# KiCad board Ultrasonic Sound Steering - Driver Rev. C.kicad_pcb (continued)
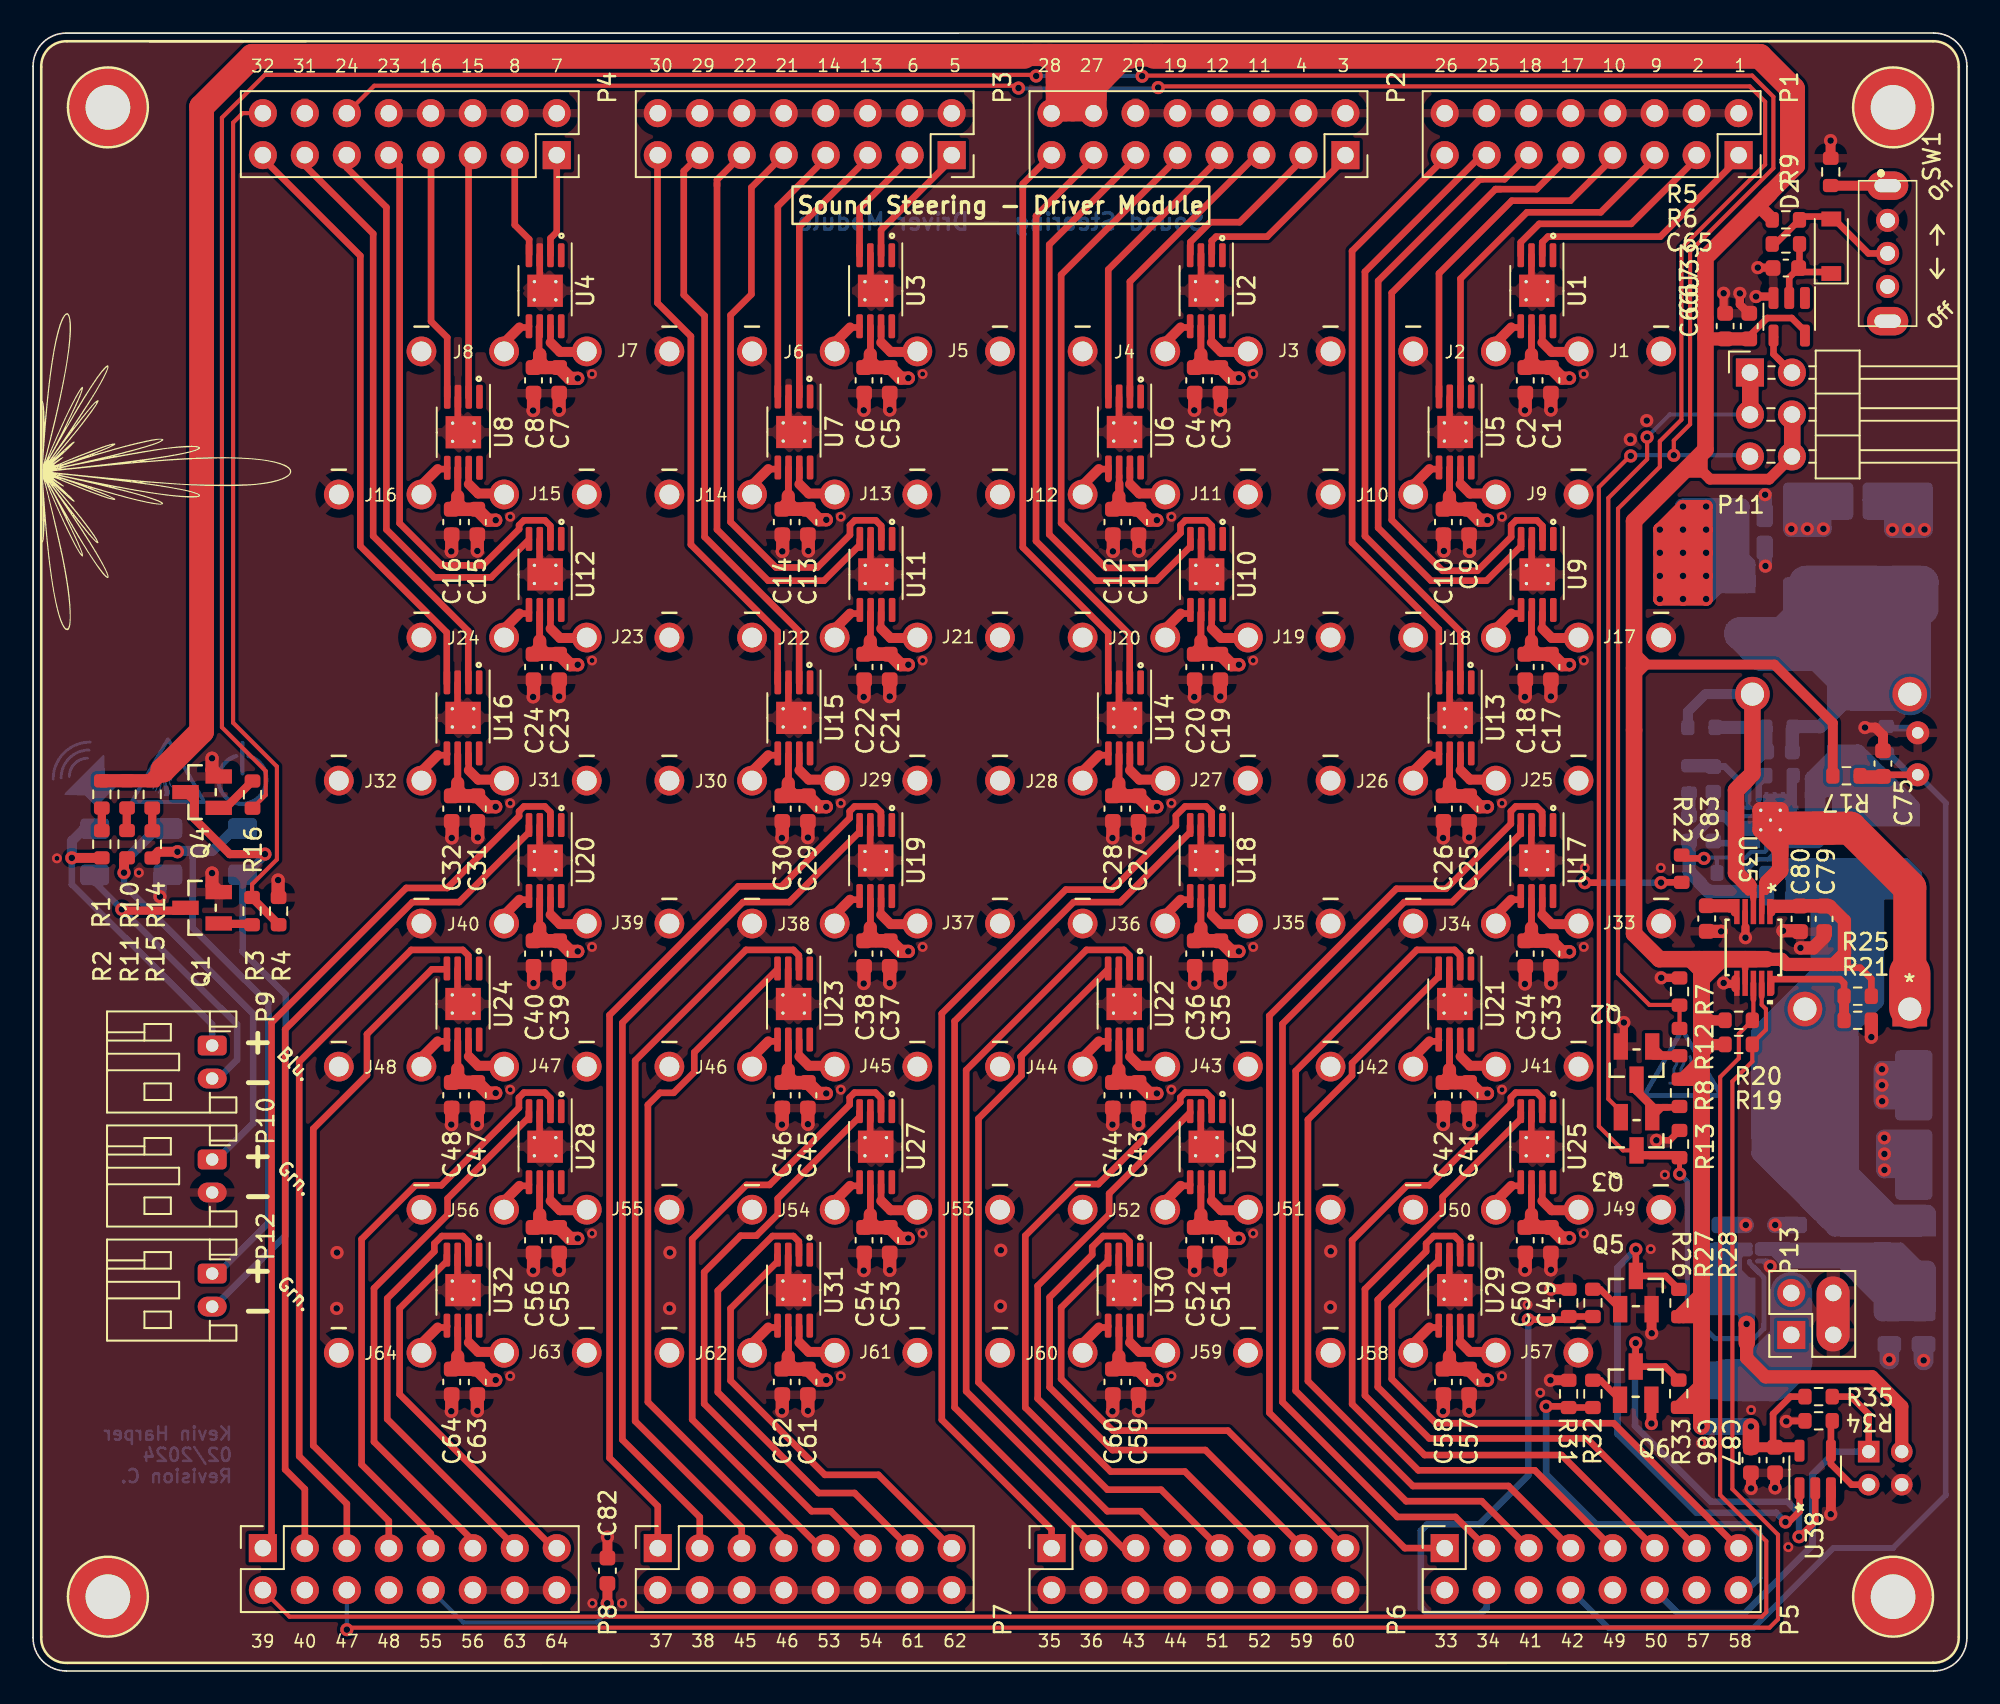
[diagram p0: board, top side]
## Footprints (pads in the part's own frame, mm; a bottom-side part is the same pattern mirrored in y, then rotated)
C_0603
  rrect 0.9x0.95 smd: 1(-0.775,0.02) 2(0.775,0.02)
C_0603_1608Metric
  rrect 0.9x0.95 smd: 1(-0.775,0) 2(0.775,0)
C_0805
  rrect 1x1.45 smd: 1(-0.95,0) 2(0.95,0)
C_0805_2012Metric
  rrect 1x1.45 smd: 1(-0.95,0) 2(0.95,0)
CAP_TANT_POLY_7343
  rrect 2.25x4.25 smd: 1(0,0) 2(5.725,0)
CONN_SWR204_D-02
  rect 1.308x1.308 hole 0.8: 1(-1.8,-1.69)
  round 1.308 hole 0.8: 2(0.2,-1.69) 3(-1.8,-3.69) 4(0.2,-3.69)
CONV_PTN04050CAD
  rect 2.1x2.1 hole 1.4: 1(-9.53,4.76)
  round 2.1 hole 1.4: 2(-9.53,-1.58) 3(9.53,-4.76) 4(9.53,4.76)
D_DO-221AC
  rect 2.26x1.57 smd: 1(-2.163,-0.03) 2(2.188,-0.03)
D_SOD-123
  rect 0.9x1.2 smd: 1(-1.65,0) 2(1.65,0)
DMP3099L-7_DIO
  rect 0.864x1.6 smd: 1(-0.95,-1.006) 2(0.95,-1.006) 3(0,1.006)
F_0157_SMD2
  rect 2.286x3.048 smd: 1(-2.44,-0.047) 2(2.64,-0.047)
IC_SOT23-5
  rrect 1.325x0.6 smd: 1(-1.137,0.95) 2(-1.137,0) 3(-1.137,-0.95) 4(1.137,-0.95) 5(1.137,0.95)
IC_WLCSP-6_0.5P
  round 0.25 smd: A1(-0.5,-0.25) A2(-0.5,0.25) B1(0,-0.25) B2(0,0.25) C1(0.5,-0.25) C2(0.5,0.25)
IC_WQFN-16_EP_3x3
  rect 0.6x0.24 smd: 1(-1.4,0.725) 2(-1.4,0.225) 3(-1.4,-0.275) 4(-1.4,-0.775) 9(1.4,-0.775) 10(1.4,-0.275) 11(1.4,0.225) 12(1.4,0.725)
  rect 0.24x0.6 smd: 5(-0.75,-1.425) 6(-0.25,-1.425) 7(0.25,-1.425) 8(0.75,-1.425) 13(0.75,1.375) 14(0.25,1.375) 15(-0.25,1.375) 16(-0.75,1.375)
  rect 1.68x1.68 smd: 17(0.025,-0.025)
  round 0.5 hole 0.203: 18(0.59,0.565) 19(0.59,-0.615) 20(-0.59,-0.615) 21(-0.59,0.565) 22(0,-0.025)
IND_HI1206T161R-10_LRD
  rect 1.118x1.803 smd: 1(-1.499,0) 2(1.499,0)
JST_PH_S2B-PH-K_1x02_P2.00mm_Horizontal
  rrect 1.2x1.75 hole 0.75: 1(0,0)
  oval 1.2x1.75 hole 0.75: 2(2,0)
L_SMD2_WURTH_6.45x6.45x5.8H
  rect 1.397x5.309 smd: 1(-2.101,-0.033) 2(2.064,-0.033)
LED_1206_3216Metric
  rrect 1.25x1.75 smd: 1(-1.4,0) 2(1.4,0)
MFS101D10Z
  round 1.4 hole 0.9: 1(0,0) 2(-2,0) 3(-4,0)
  oval 1.724x2.5 hole 0.8x1.6: 4(-6.1,0) 5(2.1,0)
MountingHole_2.7mm_M2.5_DIN965_Pad
  round 4.7 hole 2.7: 1(0,0)
MSOP-8-1EP_3x3mm_P0.65mm_EP1.95x2.15mm_ThermalVias_mic4127alt
  rrect 0.82x0.9 smd: (-0.49,0.54) (-0.49,-0.54) (0.49,0.54) (0.49,-0.54)
  rrect 1.45x0.4 smd: 1(-2.15,0.975) 2(-2.15,0.325) 3(-2.15,-0.325) 4(-2.15,-0.975) 5(2.15,-0.975) 6(2.15,-0.325) 7(2.15,0.325) 8(2.15,0.975)
  round 0.5 hole 0.2: 9(-0.55,0.65) 9(-0.55,-0.65) 9(0.55,0.65) 9(0.55,-0.65)
  rect 1.6x1.8 smd far side: 9(0,0)
  rect 1.95x2.15 smd: 9(0,0)
NetTie-2_SMD_Pad0.5mm
  round 0.5 smd: 1(-0.5,0) 2(0.5,0)
PinHeader_2x02_P2.54mm_Vertical
  rect 1.7x1.7 hole 1: 1(0,0)
  oval 1.7x1.7 hole 1: 2(2.54,0) 3(0,-2.54) 4(2.54,-2.54)
PinHeader_2x03_P2.54mm_Horizontal
  rect 1.7x1.7 hole 1: 1(0,0)
  oval 1.7x1.7 hole 1: 2(2.54,0) 3(0,-2.54) 4(2.54,-2.54) 5(0,-5.08) 6(2.54,-5.08)
PinHEADER_2x08_P2.54mm_Vertical
  rect 1.7x1.7 hole 1: 1(0,0)
  oval 1.7x1.7 hole 1: 2(-2.54,0) 3(0,-2.54) 4(-2.54,-2.54) 5(0,-5.08) 6(-2.54,-5.08) 7(0,-7.62) 8(-2.54,-7.62) 9(0,-10.16) 10(-2.54,-10.16) 11(0,-12.7) 12(-2.54,-12.7) 13(0,-15.24) 14(-2.54,-15.24) 15(0,-17.78) 16(-2.54,-17.78)
R_0603
  rrect 0.8x0.95 smd: 1(-0.825,-0.02) 2(0.825,-0.02)
R_0603_1608Metric
  rrect 0.8x0.95 smd: 1(-0.825,0) 2(0.825,0)
R_DIN0204
  round 1.4 hole 0.7: 1(-1.25,-0.05)
  oval 1.4x1.4 hole 0.7: 2(1.29,-0.05)
RM_10_ADI
  rect 1.524x0.33 smd: 1(-2.172,1) 2(-2.172,0.5) 3(-2.172,0) 4(-2.172,-0.5) 5(-2.172,-1) 6(2.172,-1) 7(2.172,-0.5) 8(2.172,0) 9(2.172,0.5) 10(2.172,1)
SOT-23-5
  rrect 1.325x0.6 smd: 1(-1.137,0.95) 2(-1.137,0) 3(-1.137,-0.95) 4(1.137,-0.95) 5(1.137,0.95)
T_SOT23
  rect 0.864x1.6 smd: 1(-0.95,-1.006) 2(0.95,-1.006) 3(0,1.006)
XDCR_MA40S4S
  round 1.8 hole 1.2: 1(-2.5,0) 2(2.5,0)

## Nets
+3V3: C66.1 C67.1 C79.2 C80.2 C86.1 C87.1 P11.4 P11.6 R1.2 R5.1 R10.1 R12.2 R14.1 R17.2 R19.1 R20.1 R21.1 R28.1 R33.1 R35.1 U33.5 U35.1 U35.7 U38.5
+5V: C68.2 F1.1 P14.3 U34.A2 U34.B2
GND: C1.2 C2.2 C3.2 C4.2 C5.2 C6.2 C7.2 C8.2 C9.2 C10.2 C11.2 C12.2 C13.2 C14.2 C15.2 C16.2 C17.2 C18.2 C19.2 C20.2 C21.2 C22.2 C23.2 C24.2 C25.2 C26.2 C27.2 C28.2 C29.2 C30.2 C31.2 C32.2 C33.2 C34.2 C35.2 C36.2 C37.2 C38.2 C39.2 C40.2 C41.2 C42.2 C43.2 C44.2 C45.2 C46.2 C47.2 C48.2 C49.2 C50.2 C51.2 C52.2 C53.2 C54.2 C55.2 C56.2 C57.2 C58.2 C59.2 C60.2 C61.2 C62.2 C63.2 C64.2 C65.2 C66.2 C67.2 C68.1 C69.1 C70.1 C71.1 C72.1 C73.1 C74.1 C75.2 C76.1 C77.1 C78.2 C79.1 C80.1 C81.2 C82.2 C83.2 C85.2 C86.2 C87.2 C88.2 C89.1 C90.1 D3.1 H1.1 H2.1 H3.1 H4.1 J1.2 J2.2 J3.2 J4.2 J5.2 J6.2 J7.2 J8.2 J9.2 J10.2 J11.2 J12.2 J13.2 J14.2 J15.2 J16.2 J17.2 J18.2 J19.2 J20.2 J21.2 J22.2 J23.2 J24.2 J25.2 J26.2 J27.2 J28.2 J29.2 J30.2 J31.2 J32.2 J33.2 J34.2 J35.2 J36.2 J37.2 J38.2 J39.2 J40.2 J41.2 J42.2 J43.2 J44.2 J45.2 J46.2 J47.2 J48.2 J49.2 J50.2 J51.2 J52.2 J53.2 J54.2 J55.2 J56.2 J57.2 J58.2 J59.2 J60.2 J61.2 J62.2 J63.2 J64.2 NTC1.2 NTC1_ALT1.2 P1.2 P1.4 P1.6 P1.8 P1.10 P1.12 P1.14 P1.16 P2.2 P2.4 P2.6 P2.8 P2.10 P2.12 P3.2 P3.4 P3.6 P3.8 P3.10 P3.12 P3.14 P3.16 P4.2 P4.4 P4.6 P4.8 P4.10 P4.14 P5.2 P5.6 P5.10 P5.14 P6.2 P6.4 P6.6 P6.8 P6.10 P6.12 P6.14 P6.16 P7.2 P7.4 P7.6 P7.8 P7.10 P7.12 P7.14 P7.16 P8.4 P8.8 P8.12 P8.14 P8.16 P10.2 P13.3 P13.4 P14.4 Q1.2 Q2.2 Q4.2 Q5.2 Q6.2 R4.1 R7.1 R9.1 R13.1 R24.1 R25.1 R26.1 R31.1 R34.2 REF**.2 REF**#2.2 SW1.1 U1.3 U1.9 U2.3 U2.9 U3.3 U3.9 U4.3 U4.9 U5.3 U5.9 U6.3 U6.9 U7.3 U7.9 U8.3 U8.9 U9.3 U9.9 U10.3 U10.9 U11.3 U11.9 U12.3 U12.9 U13.3 U13.9 U14.3 U14.9 U15.3 U15.9 U16.3 U16.9 U17.3 U17.9 U18.3 U18.9 U19.3 U19.9 U20.3 U20.9 U21.3 U21.9 U22.3 U22.9 U23.3 U23.9 U24.3 U24.9 U25.3 U25.9 U26.3 U26.9 U27.3 U27.9 U28.3 U28.9 U29.3 U29.9 U30.3 U30.9 U31.3 U31.9 U32.3 U32.9 U33.3 U34.C1 U35.4 U35.6 U36.5 U36.6 U36.10 U36.11 U36.12 U36.13 U36.14 U36.17 U36.18 U36.19 U36.20 U36.21 U36.22 U38.3
+VSW: C1.1 C2.1 C3.1 C4.1 C5.1 C6.1 C7.1 C8.1 C9.1 C10.1 C11.1 C12.1 C13.1 C14.1 C15.1 C16.1 C17.1 C18.1 C19.1 C20.1 C21.1 C22.1 C23.1 C24.1 C25.1 C26.1 C27.1 C28.1 C29.1 C30.1 C31.1 C32.1 C33.1 C34.1 C35.1 C36.1 C37.1 C38.1 C39.1 C40.1 C41.1 C42.1 C43.1 C44.1 C45.1 C46.1 C47.1 C48.1 C49.1 C50.1 C51.1 C52.1 C53.1 C54.1 C55.1 C56.1 C57.1 C58.1 C59.1 C60.1 C61.1 C62.1 C63.1 C64.1 C82.1 C89.2 C90.2 L3.2 P8.10 U1.6 U2.6 U3.6 U4.6 U5.6 U6.6 U7.6 U8.6 U9.6 U10.6 U11.6 U12.6 U13.6 U14.6 U15.6 U16.6 U17.6 U18.6 U19.6 U20.6 U21.6 U22.6 U23.6 U24.6 U25.6 U26.6 U27.6 U28.6 U29.6 U30.6 U31.6 U32.6
/Transducers & Drive/1: P1.1 U1.2
/Transducers & Drive/2: P1.3 U1.4
/Transducers & Drive/3: P2.1 U2.2
/Transducers & Drive/4: P2.3 U2.4
/Transducers & Drive/5: P3.1 U3.2
/Transducers & Drive/6: P3.3 U3.4
/Transducers & Drive/7: P4.1 U4.2
/Transducers & Drive/8: P4.3 U4.4
/Transducers & Drive/9: P1.5 U5.2
/Transducers & Drive/10: P1.7 U5.4
/Transducers & Drive/11: P2.5 U6.2
/Transducers & Drive/12: P2.7 U6.4
/Transducers & Drive/13: P3.5 U7.2
/Transducers & Drive/14: P3.7 U7.4
/Transducers & Drive/15: P4.5 U8.2
/Transducers & Drive/16: P4.7 U8.4
/Transducers & Drive/17: P1.9 U9.2
/Transducers & Drive/18: P1.11 U9.4
/Transducers & Drive/19: P2.9 U10.2
/Transducers & Drive/20: P2.11 U10.4
/Transducers & Drive/21: P3.9 U11.2
/Transducers & Drive/22: P3.11 U11.4
/Transducers & Drive/23: P4.9 U12.2
/Transducers & Drive/24: P4.11 U12.4
/Transducers & Drive/25: P1.13 U13.2
/Transducers & Drive/26: P1.15 U13.4
/Transducers & Drive/27: P2.13 U14.2
/Transducers & Drive/28: P2.15 U14.4
/Transducers & Drive/29: P3.13 U15.2
/Transducers & Drive/30: P3.15 U15.4
/Transducers & Drive/31: P4.13 U16.2
/Transducers & Drive/32: P4.15 U16.4
/Transducers & Drive/33: P5.1 U17.2
/Transducers & Drive/34: P5.3 U17.4
/Transducers & Drive/35: P6.1 U18.2
/Transducers & Drive/36: P6.3 U18.4
/Transducers & Drive/37: P7.1 U19.2
/Transducers & Drive/38: P7.3 U19.4
/Transducers & Drive/39: P8.1 U20.2
/Transducers & Drive/40: P8.3 U20.4
/Transducers & Drive/41: P5.5 U21.2
/Transducers & Drive/42: P5.7 U21.4
/Transducers & Drive/43: P6.5 U22.2
/Transducers & Drive/44: P6.7 U22.4
/Transducers & Drive/45: P7.5 U23.2
/Transducers & Drive/46: P7.7 U23.4
/Transducers & Drive/47: P8.5 U24.2
/Transducers & Drive/48: P8.7 U24.4
/Transducers & Drive/49: P5.9 U25.2
/Transducers & Drive/50: P5.11 U25.4
/Transducers & Drive/51: P6.9 U26.2
/Transducers & Drive/52: P6.11 U26.4
/Transducers & Drive/53: P7.9 U27.2
/Transducers & Drive/54: P7.11 U27.4
/Transducers & Drive/55: P8.9 U28.2
/Transducers & Drive/56: P8.11 U28.4
/Transducers & Drive/57: P5.13 U29.2
/Transducers & Drive/58: P5.15 U29.4
/Transducers & Drive/59: P6.13 U30.2
/Transducers & Drive/60: P6.15 U30.4
/Transducers & Drive/61: P7.13 U31.2
/Transducers & Drive/62: P7.15 U31.4
/Transducers & Drive/63: P8.13 U32.2
/Transducers & Drive/64: P8.15 U32.4
ARRAY_DRIVE_EN: P11.5 Q3.3 R13.2 R16.1 R22.2 U34.C2
DIGIPOT_GND: REF**.1 REF**#2.1 U35.2 U37.1
DIGIPOT_WIPER: R30.1 U35.3 U37.3
DIGPOT_SCL: P8.6 R19.2 U35.9
DIGPOT_SDA: P8.2 R20.2 U35.8
FAN_EN: P5.4 R26.2 R27.1
FAN_PWM: P5.16 R31.2 R32.1
FAN_TACHO: P5.12 P14.1 R35.2
LOAD_SWITCH_EN: P4.12 R7.2 R8.1
NTC: C75.1 NTC1.1 NTC1_ALT1.1 P5.8 R17.1
TX_ACTIVE: P4.16 R3.1 R4.2
Net-(C65-Pad1): C65.1 D2.1 R6.2 U33.2
Net-(C69-Pad2): C69.2 C70.2 C71.2 L1.1 U34.A1 U34.B1
Net-(C72-Pad2): C72.2 C73.2 C78.1 C81.1 L1.2 L2.1 R23.2 U36.2 U37.2
Net-(C74-Pad2): C74.2 R18.1
Net-(C76-Pad2): C76.2 R18.2 U36.7
Net-(C77-Pad2): C77.2 U36.4
Net-(C83-Pad1): C83.1 U35.5
Net-(C84-Pad1): C84.1 R29.1 R30.2 U36.8
Net-(C84-Pad2): C84.2 C85.1 C88.1 D5.1 L3.1 R29.2 U37.4
Net-(D1-Pad1): D1.1 P9.2 Q1.3
Net-(D1-Pad2): D1.2 P9.1 R2.2
Net-(D2-Pad2): D2.2 R5.2 R6.1 SW1.2
Net-(D3-Pad2): D3.2 P10.1 R11.2
Net-(D4-Pad1): D4.1 P12.2 Q4.3
Net-(D4-Pad2): D4.2 P12.1 R15.2
Net-(D5-Pad2): D5.2 L2.2 U36.1 U36.15 U36.16
Net-(F1-Pad2): F1.2 P13.1 P13.2
Net-(J1-Pad1): J1.1 U1.7
Net-(J2-Pad1): J2.1 U1.5
Net-(J3-Pad1): J3.1 U2.7
Net-(J4-Pad1): J4.1 U2.5
Net-(J5-Pad1): J5.1 U3.7
Net-(J6-Pad1): J6.1 U3.5
Net-(J7-Pad1): J7.1 U4.7
Net-(J8-Pad1): J8.1 U4.5
Net-(J9-Pad1): J9.1 U5.7
Net-(J10-Pad1): J10.1 U5.5
Net-(J11-Pad1): J11.1 U6.7
Net-(J12-Pad1): J12.1 U6.5
Net-(J13-Pad1): J13.1 U7.7
Net-(J14-Pad1): J14.1 U7.5
Net-(J15-Pad1): J15.1 U8.7
Net-(J16-Pad1): J16.1 U8.5
Net-(J17-Pad1): J17.1 U9.7
Net-(J18-Pad1): J18.1 U9.5
Net-(J19-Pad1): J19.1 U10.7
Net-(J20-Pad1): J20.1 U10.5
Net-(J21-Pad1): J21.1 U11.7
Net-(J22-Pad1): J22.1 U11.5
Net-(J23-Pad1): J23.1 U12.7
Net-(J24-Pad1): J24.1 U12.5
Net-(J25-Pad1): J25.1 U13.7
Net-(J26-Pad1): J26.1 U13.5
Net-(J27-Pad1): J27.1 U14.7
Net-(J28-Pad1): J28.1 U14.5
Net-(J29-Pad1): J29.1 U15.7
Net-(J30-Pad1): J30.1 U15.5
Net-(J31-Pad1): J31.1 U16.7
Net-(J32-Pad1): J32.1 U16.5
Net-(J33-Pad1): J33.1 U17.7
Net-(J34-Pad1): J34.1 U17.5
Net-(J35-Pad1): J35.1 U18.7
Net-(J36-Pad1): J36.1 U18.5
Net-(J37-Pad1): J37.1 U19.7
Net-(J38-Pad1): J38.1 U19.5
Net-(J39-Pad1): J39.1 U20.7
Net-(J40-Pad1): J40.1 U20.5
Net-(J41-Pad1): J41.1 U21.7
Net-(J42-Pad1): J42.1 U21.5
Net-(J43-Pad1): J43.1 U22.7
Net-(J44-Pad1): J44.1 U22.5
Net-(J45-Pad1): J45.1 U23.7
Net-(J46-Pad1): J46.1 U23.5
Net-(J47-Pad1): J47.1 U24.7
Net-(J48-Pad1): J48.1 U24.5
Net-(J49-Pad1): J49.1 U25.7
Net-(J50-Pad1): J50.1 U25.5
Net-(J51-Pad1): J51.1 U26.7
Net-(J52-Pad1): J52.1 U26.5
Net-(J53-Pad1): J53.1 U27.7
Net-(J54-Pad1): J54.1 U27.5
Net-(J55-Pad1): J55.1 U28.7
Net-(J56-Pad1): J56.1 U28.5
Net-(J57-Pad1): J57.1 U29.7
Net-(J58-Pad1): J58.1 U29.5
Net-(J59-Pad1): J59.1 U30.7
Net-(J60-Pad1): J60.1 U30.5
Net-(J61-Pad1): J61.1 U31.7
Net-(J62-Pad1): J62.1 U31.5
Net-(J63-Pad1): J63.1 U32.7
Net-(J64-Pad1): J64.1 U32.5
Net-(P2-Pad14): P2.14 P2.16
Net-(P11-Pad1): P11.1 P11.3 Q3.2
Net-(P11-Pad2): P11.2 U33.4
Net-(P14-Pad2): P14.2 R34.1 U38.4
Net-(Q1-Pad1): Q1.1 R3.2
Net-(Q2-Pad1): Q2.1 R8.2
Net-(Q2-Pad3): Q2.3 Q3.1 R12.1
Net-(Q4-Pad1): Q4.1 R16.2
Net-(Q5-Pad1): Q5.1 R27.2
Net-(Q5-Pad3): Q5.3 R28.2 U38.1
Net-(Q6-Pad1): Q6.1 R32.2
Net-(Q6-Pad3): Q6.3 R33.2 U38.2
Net-(R1-Pad1): R1.1 R2.1
Net-(R9-Pad2): R9.2 SW1.4 SW1.5
Net-(R10-Pad2): R10.2 R11.1
Net-(R14-Pad2): R14.2 R15.1
Net-(R21-Pad2): R21.2 R25.2 U35.10
Net-(R22-Pad1): R22.1 R23.1 U36.3
Net-(R24-Pad2): R24.2 U36.9

Pads without a net: SW1 3; U1 1 8; U2 1 8; U3 1 8; U4 1 8; U5 1 8; U6 1 8; U7 1 8; U8 1 8; U9 1 8; U10 1 8; U11 1 8; U12 1 8; U13 1 8; U14 1 8; U15 1 8; U16 1 8; U17 1 8; U18 1 8; U19 1 8; U20 1 8; U21 1 8; U22 1 8; U23 1 8; U24 1 8; U25 1 8; U26 1 8; U27 1 8; U28 1 8; U29 1 8; U30 1 8; U31 1 8; U32 1 8; U33 1

## Via types
v1: diameter 0.8, hole 0.4, Top to Bottom, 194 vias
v2: diameter 0.6, hole 0.3, Top to Bottom, 45 vias

## Routing (per net, layer and track width the routed paths; a pad name or vN(x,y) marks a point on that pad's centre or on a via; arc(x,y) is an arc through that point)
+3V3: length 443.3
  Top w0.2: 103.58,42.89 102.53,42.89 ; 100.94,41.3 100.94,40.21 ; 105.15,45.99 105.42,45.99 ; 105.38,46.59 105.11,46.59
  Top w0.3: 97.81,60.87 97.1,61.58 ; 101.81,39.44 101.1,38.73 ; 97.73,60.87 97.02,61.58 ; 101.76,37.96 101.05,37.25 ; 101.08,38.64 101.79,37.93 ; 97.92,60.86 97.21,61.57 ; 101.76,39.37 101.05,40.08 ; 97.03,60.15 97.74,60.86 ; 105.85,90.46 105.85,94.99 ; 101.75,37.82 101.04,37.11 ; 100.73,42.14 100.02,42.85
  Top w0.325: U35.7 103.58,42.89
  Top w0.35: 99.66,35.81 99.37,35.81
  Top w0.4: 102.38,37.78 101.13,37.78 ; 103.58,42.5 103.58,43.39 ; R21.1 111.21,41.89 110.54,42.57 109.12,42.57 108.92,42.77 ; 102.36,37.93 100.95,37.93 ; 109.79,43.65 109.79,42.72 ; 102.36,39.39 101.12,39.39 100.94,39.21 ; 102.44,38.06 101.19,38.06 ; 100.95,40.13 100.94,40.14 ; C87.1 105.27,13.66 105.27,15.56 106.32,16.61 R35.1 ; 101.3,82 101.18,81.87 ; 103.72,80.63 103.72,80.7 104.92,81.9 106.4,81.9 107.19,81.1 U33.5 107.19,81.18 ; 102.32,39.5 101.07,39.5 ; 109.66,42.79 108.73,42.79 ; 101.23,80.63 101.18,80.69 ; 102.36,39.27 101.11,39.27 ; 106.7,46.3 105.4,46.3 ; 106.66,13.54 U38.5 ; 109.71,42.57 108.78,42.57 ; 97.08,60.92 96.86,60.7
  Top w0.5: 106.84,46.42 106.94,46.32 ; U38.5 106.87,13.04 ; 105.16,46.48 105.16,45.92 ; 105.21,87.87 R5.1
  Top w0.6: C86.1 C87.1 106.66,13.54 ; R17.2 108.88,57.38 105.35,60.92 97.08,60.92
  Top w0.65: P11.6 105.03,72.14 101.45,72.14 100.47,73.13 100.2,73.13 99.51,72.44 ; 101,72.56 99.61,72.56 ; 100.99,72.61 100.99,74 ; 106.49,76.02 106.49,75.56 ; 106.42,76.06 106.42,73.52
  Top w0.8: 100.75,22.66 99.58,21.49 R28.1 ; R12.2 100.39,35.82 100.75,36.18 ; 103.72,80.63 101.23,80.63 ; 107.26,46.32 108.35,46.32 108.36,46.31 108.69,46.31 109.59,45.41 109.59,43.44 108.92,42.77 106.09,42.77 105.78,43.08 104.51,43.08 ; 100.59,21.45 99.86,21.45 ; 106.66,46.29 105.42,46.29 ; R1.2 4.16,53.89 7.21,53.89 ; 100.86,35.82 100.13,35.82 ; 108.44,46.32 106.94,46.32 ; 101.02,37.03 99.85,35.86 ; 104.4,88.69 105.21,87.87 ; 100.75,17.15 R33.1 ; 100.62,15.96 99.89,15.96
  Top w1: 62.57,94.86 64.62,96.91 ; 61.65,94.27 63.7,96.32 ; 60.13,97.9 59.97,97.74 ; 100.94,40.21 100.94,41.86 102.16,43.09 ; 63.48,94.87 65.53,96.92 ; 105.08,89.46 104.78,89.16 ; 10.11,56.78 7.33,54 ; 61.83,94.87 63.88,96.92 ; 106.43,76.06 106.43,73.52 ; 63.97,95.37 66.02,97.42 ; 10.38,57.12 10.38,57.05 7.58,54.25 ; 64.16,94.3 61.62,94.3 63.67,96.35 ; 106.7,91.57 106.7,91.09 104.98,89.37 ; 62.9,94.3 64.95,96.35 ; v1(103.93,14.8) C86.1 ; 100.4,43.09 104.18,43.09 ; 67.81,97.74 67.66,97.89 ; 101.09,43.09 104.87,43.09 ; 105.09,89.48 104.79,89.18 ; 62.26,94.57 64.31,96.62 ; 100.91,42.99 100.81,43.09 98.39,43.09 96.86,44.62 96.86,69.61 101.18,73.93 101.18,85.57 104.77,89.16 ; 100.95,43.07 100.94,43.06 v1(100.94,14.81) 100.94,42.64 ; 61.28,94.3 63.33,96.35 ; 100.94,40.99 100.94,37.94 ; 101.43,85.8 104.98,89.35 ; 66.54,97.89 66.39,97.74 ; 62.45,94.3 64.5,96.35 ; 61.41,97.74 61.25,97.9
  Top w1.2: 64.35,95.44 64.35,94.33 ; 61.23,97.75 60.11,97.75 ; 66.92,97.89 65.8,97.89 ; 63.01,97.24 63.01,96.13 ; 67.67,97.72 66.55,97.72 ; 61.63,97.89 60.51,97.89 ; 60.98,97.89 59.86,97.89 ; 61.87,97.28 61.87,96.17 ; 61.87,95.85 61.87,94.74 ; 67.66,97.89 66.54,97.89 ; 68.33,97.89 67.21,97.89 ; 61.26,97.87 60.14,97.87 ; 61.87,96.65 61.87,95.54 ; 64.35,96.3 64.35,95.19
  Top w1.5: 59.97,97.74 13.26,97.74 10.2,94.68 10.2,56.87 7.86,54.54 7.86,54.54 ; 106.45,91.23 106.45,95.76 104.47,97.74 67.81,97.74 ; 66.39,97.74 61.41,97.74
  Bottom w0.8: 100.95,14.8 v1(100.94,14.81)
  Bottom w1: v1(103.93,14.8) 100.95,14.8
+5V: length 49.4
  Top w0.8: P14.3 113.05,16.01 111.26,17.81 104.81,17.81 103.67,18.95 v1(103.67,21.01)
  Top w1: v1(103.67,21.01) 103.68,21 103.68,19.86
  Bottom w0.4: 102.4,25.06 103.15,25.06 103.41,25.32 103.42,25.31 U34.B2 103.13,25.31 103,25.43 ; 102.4,25.06 102.65,24.81 ; 102.4,25.06 101.96,25.5 101.96,25.61 102.09,25.74 103.84,25.74 ; 102.4,25.06 102.4,22.95 F1.1 102.27,23.08 C68.2 102.29,25.1 103.72,23.67 ; 103.19,25.55 103.19,23.54 ; 103,25.43 103,23.42 ; 103,25.43 103.09,25.53 103.74,25.53 ; 103.54,23.41 102.11,24.84 ; 102.97,24.88 103.23,25.14 ; 102.68,24.96 102.68,22.95 ; 103.83,25.65 103.83,25.36 ; 101.35,24.53 101.35,22.52 ; 103.02,25.04 103.02,23.03
  Bottom w1: 103.08,25.44 102.61,25.44 C68.2 102.46,25.29 102.46,25.44 ; v1(103.67,21.01) 103.67,21.68 F1.1 ; 101.65,25.05 101.65,24.44 ; 101.65,24.64 101.65,24.03 ; 101.65,25.1 102.25,25.1 ; 101.69,25.44 102.16,25.44 ; 101.81,25.44 102.28,25.44 ; 101.65,24.92 101.65,25.39
GND: length 283.5
  Top w0.25: 16.44,4.53 16.77,4.53
  Top w0.35: U35.4 103.58,44.9
  Top w0.4: 90.64,49.7 90.64,51.15 ; 25.7,77.08 25.7,75.63 ; U1.3 90.65,83.87 U1.9 ; 86.09,39.68 86.59,40.18 ; 108.75,91.58 R9.1 ; 25.68,42.47 25.68,41.02 ; 86.11,74.31 86.61,74.8 ; 86.85,68.72 86.88,68.75 C9.2 ; 71.04,48.35 71.04,48.35 71.55,48.87 ; 85.7,59.79 85.7,58.34 ; 105.34,51.73 U36.22 ; 105.34,51.73 U36.18 ; 105.34,51.73 104.98,52.1 ; U36.22 104.75,51.51 104.74,51.5 ; U36.22 105.11,50.95 105.15,50.92 ; U36.22 U36.21 ; U36.22 U36.20 ; U36.22 U36.19 ; 106.97,44.78 105.89,44.78 v1(105.87,44.81) ; 105.27,84.92 105.24,84.95 ; 51.57,66.19 51.05,65.67 51.05,65.67 ; 85.33,67.77 v1(85.35,67.8) ; 30.64,32.38 30.64,33.83 ; v1(106.07,15.11) 106.1,15.14 107.2,15.14 ; 91.04,48.35 91.04,48.35 91.55,48.87 ; 90.66,67.02 90.66,68.47 ; 26.09,39.68 26.59,40.18 ; 105.45,51.51 105.32,51.38 105.32,50.92 ; 85.68,42.47 85.68,41.02 ; 65.69,59.79 65.69,58.34 ; 31.55,48.87 31.04,48.35 31.04,48.35 ; 71.57,83.49 71.06,82.97 71.06,82.97 ; v1(30.25,76.3) 30.25,76.3 ; v1(45.33,67.77) 45.33,67.77 ; 51.04,48.35 51.04,48.35 51.55,48.87 ; 70.64,32.38 70.64,33.83 ; v1(106.92,43.77) 107.44,43.77 108.44,44.77 ; 50.66,84.33 50.66,85.78 ; C10.2 85.3,68.75 85.3,68.72 ; 66.09,39.68 66.59,40.18 ; 71.05,65.67 71.05,65.67 71.57,66.19 ; 46.09,39.68 46.59,40.18 ; 91.06,65.67 91.06,65.67 91.57,66.18 ; 102.34,41.59 v1(102.28,41.65) ; 45.69,57 46.11,57 46.6,57.5 ; 99.6,41.97 99.62,41.99 ; 31.04,65.67 31.04,65.67 31.55,66.19 ; Q2.2 96.06,38.18 ; 50.64,32.38 50.64,33.83 ; 45.69,59.79 45.69,58.34 ; v1(65.33,67.77) 65.33,67.77 ; 46.09,22.36 46.59,22.86 ; 90.64,32.38 90.64,33.83 ; 85.68,25.15 85.68,23.7 ; v1(25.3,67.77) 25.3,67.77 ; 30.64,49.7 30.64,51.15 ; 45.68,25.15 45.68,23.7 ; v1(98.21,32.12) 99.01,32.12 R13.1 ; 26.59,57.5 26.09,57 25.96,57 ; 30.64,67.02 30.64,68.47 ; 45.68,42.47 45.68,41.02 ; 65.68,25.15 65.68,23.7 ; 66.6,57.5 66.11,57 65.69,57 ; 50.66,67.02 50.66,68.47 ; 70.64,49.7 70.64,51.15 ; 85.7,57.07 86.13,57.5 ; P8.4 16.44,4.53 ; 86.09,22.36 86.59,22.86 ; U4.9 30.65,83.87 U4.3 ; 66.11,74.31 66.61,74.8 ; 25.68,25.15 25.68,23.7 ; 65.68,42.47 65.68,41.02 ; 26.09,22.36 26.59,22.86 ; 25.68,59.79 25.68,58.34 ; 65.7,77.09 65.7,75.64 ; 50.64,49.7 50.64,51.15 ; 70.66,67.02 70.66,68.47 ; 45.7,77.09 45.7,75.64 ; 70.66,84.33 70.66,85.78 ; 85.7,77.09 85.7,75.64 ; 46.11,74.31 46.61,74.8 ; 66.09,22.36 66.59,22.86